# Altium PCB drive.PcbDoc (part 2 of 2)
Units mm, origin at the board's own origin, x right, y up, seen from the top; angles counter-clockwise.
Board outline 250 x 128 mm, 2 copper layers (Top Layer, Bottom Layer); 178 components, 157 nets, 674 pads, 176 vias.
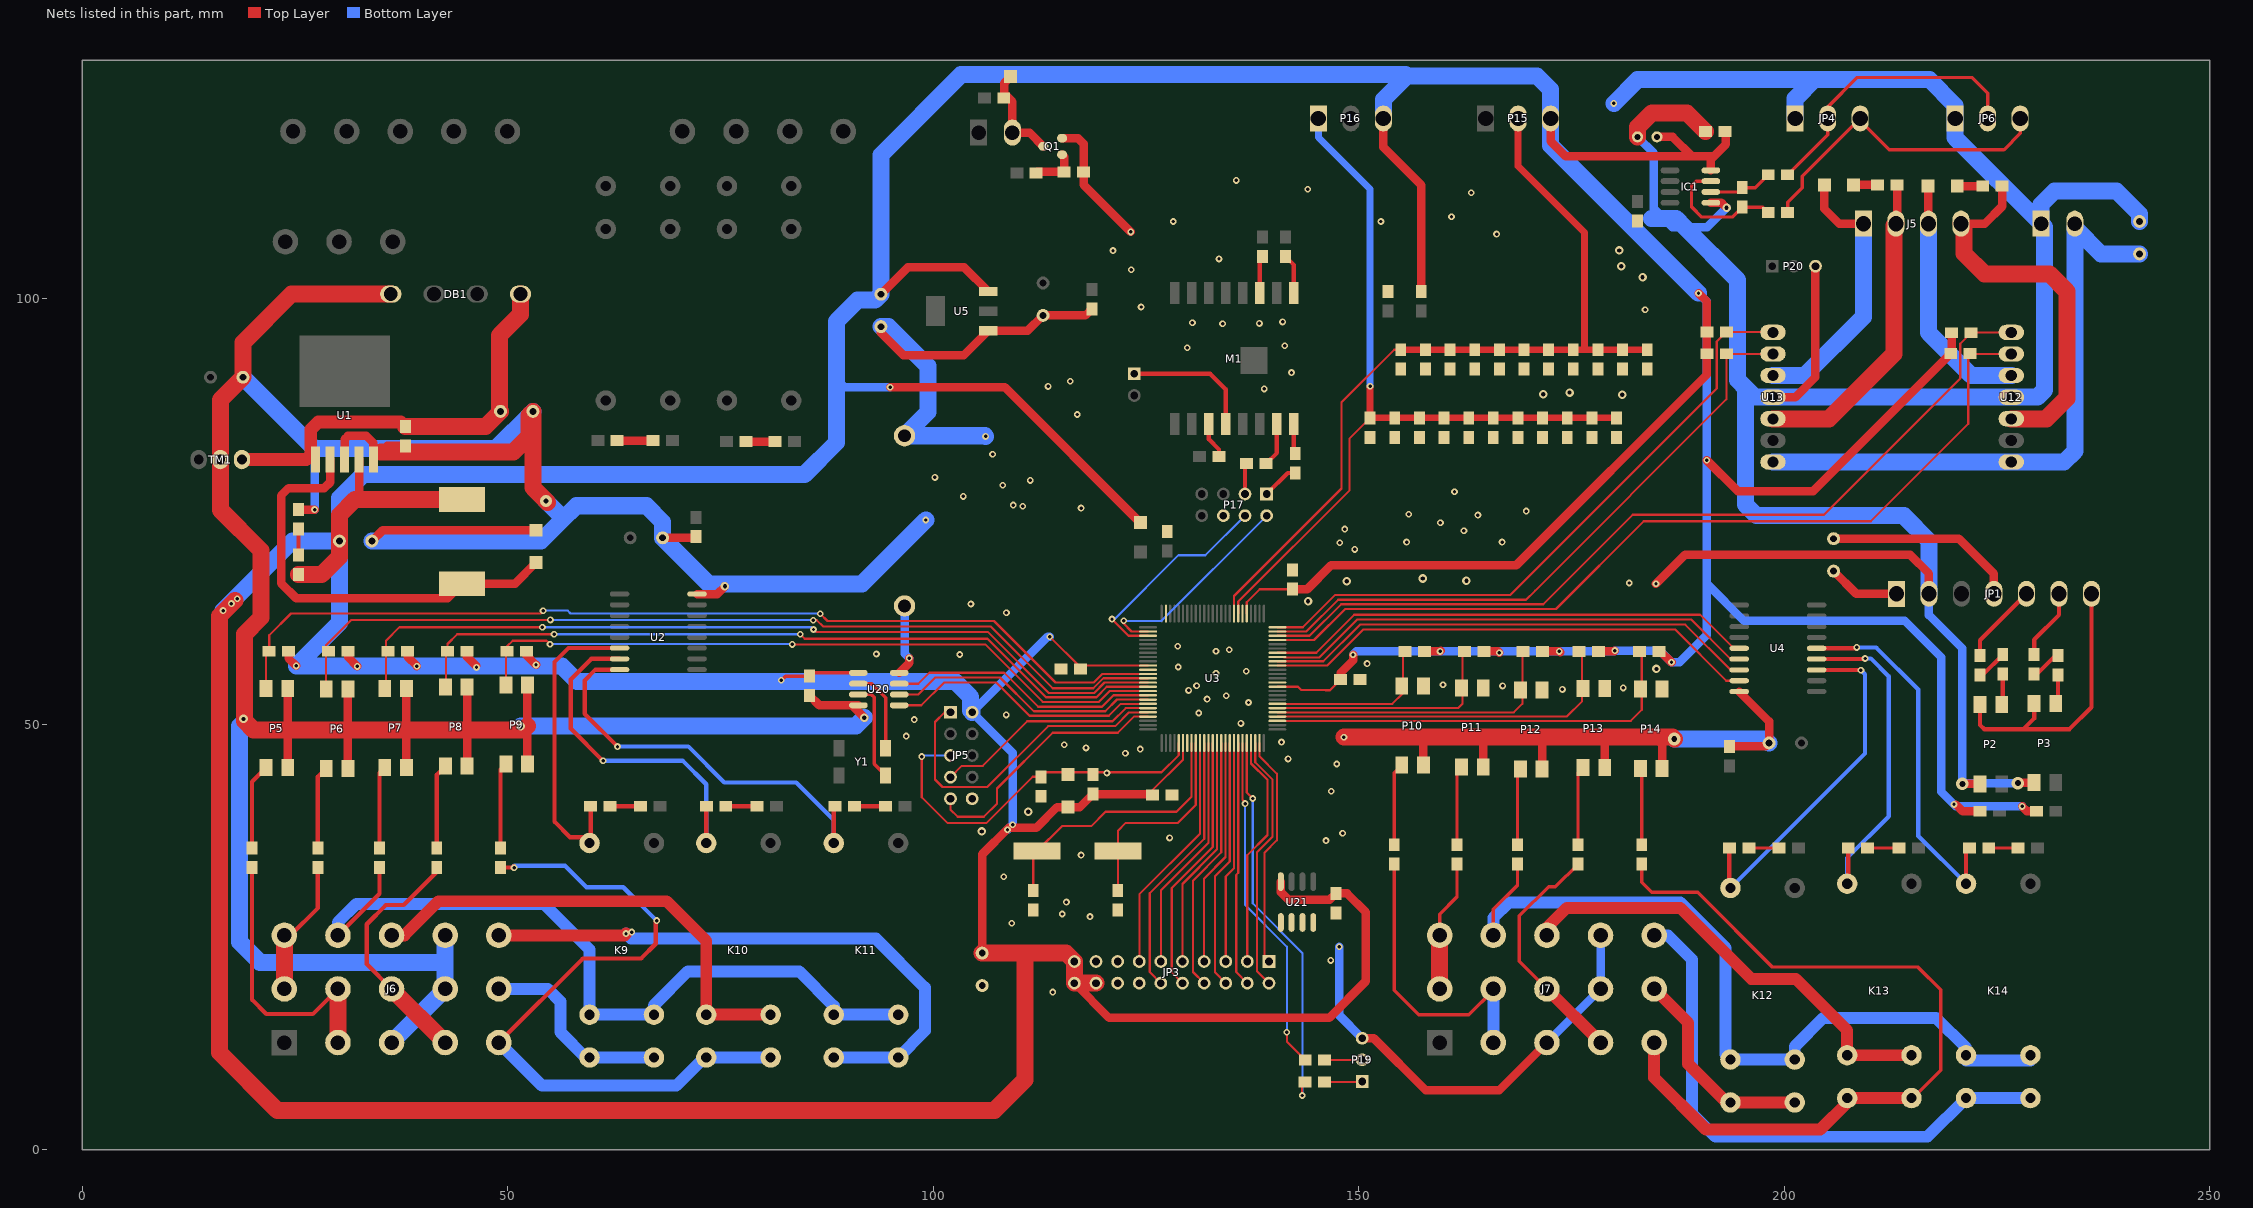
[diagram p2: the nets of this part, all layers, seen from the top]

## Via types
v1: diameter 0.8, hole 0.4, Top Layer to Bottom Layer, tented both sides, 154 vias
v2: diameter 1, hole 0.5, Top Layer to Bottom Layer, tented both sides, 18 vias
v3: diameter 1.5, hole 0.7, Top Layer to Bottom Layer, tented both sides, 3 vias
v4: diameter 1.4, hole 0.6, Top Layer to Bottom Layer, tented both sides, 1 vias

## Nets (pads, with @x,y where several pads share a name; then routed paths per layer and width w, separated by ;. In a path a pad name is that pad's centre, name@x,y a point inside that pad or via, vN(x,y) a via of type N, cw(c..) or ccw(c..) an arc to the next point about the centre after c; other vN are vias at no path point) (continued)
GND: BT1.2 C1.1 C2.2 C3.2 C4.2 C6.2 C7.1 C8.1 C9.2 C10.2 C11.1 C12.2 C14.2 C15.1 C18.2 C20.1 C21.1 C22.1 C23.1 C24.1 C25.2 C26.2 C27.1 C28.1 C29.1 C30.1 C31.1 C32.1 C34.2 D1.2 D4.1 DB1.4 IC1.5 J6.3 J6.9 J6.14 J7.3 J7.9 J7.14 JP1.2 JP3.14 JP3.15 JP3.16 JP3.17 JP4.1 JP5.10 JP6.1 P1.1 P2.3 P3.3 P5.2 P5.3 P6.2 P6.3 P7.2 P7.3 P8.2 P8.3 P9.2 P9.3 P10.2 P10.3 P11.2 P11.3 P12.2 P12.3 P13.2 P13.3 P14.2 P14.3 P17.6 P19.3 P20.3 Q1.E R7.1 R9.1 R16.1 R17.1 R18.1 R19.1 R20.1 R22.1 R24.1 R25.1 R29.1 R43.1 R44.1 R45.1 R46.1 R47.1 R48.1 R49.1 R50.1 R51.1 R52.1 R53.1 TM1.2 U1.3 U1.5 U2.9 U3.11 U3.32 U3.62 U3.81 U3.99 U4.9 U5.1 U12.4 U13.4 U20.4 U21.1 U21.2 U21.3 U21.4 | length 998.7
  Top Layer w1: P5.2@24.145,44.875 24.145,49.325 P5.3@24.145,54.175 ; D1.2@25.4,75.184 27.284,75.184 v1(27.3,75.2) ; U1.3@30.836,81.084 30.836,83.461 31.225,83.85 33.4,83.85 34.225,83.025 34.225,81.099 U1.5@34.24,81.084 35.128,81.972 35.833,82.677 C1.1@37.973,82.677 ; P6.2@31.22,44.8 31.22,49.325 P6.3@31.22,54.1 ; C3.2@34.036,71.501 35.306,72.771 D4.1@53.34,72.771 ; P7.2@38.095,44.9 38.095,49.325 P7.3@38.095,54.2 ; P8.2@45.22,45.05 45.22,49.325 P8.3@45.22,54.35 ; P9.2@52.32,45.275 52.32,49.775 P9.3@52.32,54.575 ; C6.2@68.199,71.882 72.009,71.882 C7.1@72.136,72.009 ; U2.9@72.241,65.278 74.628,65.278 v2(75.525,66.175) ; C28.1@85.45,53.35 86.603,52.197 U20.4@90.453,52.197 ; U20.4@91.199,52.197 U20.4@90.453,52.197 ; v2(91.9,50.75) U20.4@90.453,52.197 ; C10.2@93.85,96.691 93.85,95.975 96.475,93.35 103.599,93.35 U5.1@106.474,96.225 111.109,96.225 C12.2@112.9,98.016 117.877,98.016 C9.2@118.65,98.789 ; Q1.E@115.143,118.841 117.009,118.841 117.661,118.189 R43.1@117.661,114.875 117.661,113.364 v1(123.2,107.825) ; P19.3@150.4,13.08 151.77,13.08 157.9,6.95 166.489,6.95 J7.3@172.112,12.573 ; P10.2@157.595,45.175 157.595,48.195 157.85,48.45 ; 164,48.45 164.62,47.83 P11.2@164.62,44.95 ; 171.3,48.45 171.545,48.205 P12.2@171.545,44.725 ; 178.625,48.45 178.895,48.18 P13.2@178.895,44.875 ; 184.775,48.45 185.645,47.58 P14.2@185.645,44.8 ; v1(184.925,66.475) 188.35,69.9 214.775,69.9 217,67.675 JP1.2@217,65.3 ; IC1.5@191.376,111.252 192.598,111.252 v2@192.975,110.875 ; C15.1@193.548,47.371 197.812,47.371 C14.2@198.216,47.775 198.216,50.304 U4.9@194.7,53.82 ; U13.4@198.675,88.405 201.305,88.405 203.665,90.765 P20.3@203.665,103.8 ; v3@220.825,42.875 v3(220.925,42.975) P2.3@223.012,42.975 ; v3@227.6,43.2 227.698,43.102 P3.3@229.362,43.102
  Top Layer w2: 35.128,81.972 50.647,81.972 52.5,83.825 52.5,86.282 C2.2@52.959,86.741 52.959,77.766 v4@54.7,76.025 ; DB1.4@36.255,100.525 24.6,100.525 18.884,94.809 C4.2@18.884,90.75 16.225,88.091 TM1.2@16.225,81.075 16.225,75.175 21,70.4 21,62.5 19.05,60.55 19.05,50.375 20.1,49.325 24.145,49.325 31.22,49.325 38.095,49.325 45.22,49.325 51.87,49.325 52.32,49.775 ; v1(148.25,48.45) 157.85,48.45 164,48.45 171.3,48.45 178.625,48.45 184.775,48.45 186.85,48.45 v3(187.075,48.225) ; C26.2@182.753,118.999 182.753,120.128 184.45,121.825 184.475,121.8 188.588,121.8 C25.2@190.754,119.634
  Bottom Layer w1: 27.259,82.375 27.3,82.334 v1(27.3,75.2) ; v1(147.7,23.825) 147.7,15.78 P19.3@150.4,13.08 ; J7.3@172.112,12.573 J7.9@178.412,18.873 J7.14@178.412,25.173 ; C26.2@182.753,118.999 184.675,117.077 184.675,110.55 185.85,109.375 186.825,108.4 188.275,108.4 190.95,108.4 v2(193.225,110.675) ; JP1.2@217,65.3 217,62.8 220.925,58.875 v3(220.925,42.975) 221,43.05 v3(227.45,43.05)
  Bottom Layer w2: C4.2@18.884,90.75 27.259,82.375 48.593,82.375 C2.2@52.959,86.741 ; v2@19.025,50.275 18.5,49.75 18.5,24.375 20.875,22 42.649,22 ; C3.2@34.036,71.501 53.926,71.501 56.325,73.9 ; J6.3@36.349,12.573 J6.9@42.649,18.873 42.649,22 ; J6.14@42.649,25.173 42.649,22 ; v2(51.55,49.75) 90.9,49.75 v2(91.9,50.75) ; v4(54.5,76.225) 56.325,74.4 56.325,73.9 ; C10.2@93.85,96.691 94.759,96.691 99.4,92.05 99.4,86.65 BT1.2@96.625,83.875 106.075,83.875 v1(106.15,83.8) ; v1(99.125,73.975) 91.625,66.475 73.606,66.475 C6.2@68.199,71.882 68.199,73.751 66.3,75.65 58.075,75.65 56.325,73.9 ; v1(179.975,122.925) 182.775,125.725 203.525,125.725 ; 184.4,109.375 185.85,109.375 187.3,109.375 188.275,108.4 194.525,102.15 194.525,90.425 195.425,89.525 ; v3(187.075,48.225) 197.766,48.225 C14.2@198.216,47.775 ; JP4.1@201.285,121.158 201.285,123.485 203.525,125.725 ; JP1.2@217,65.3 217,71.525 214.05,74.475 196.75,74.475 195.425,75.8 195.425,89.525 ; C18.2@241.75,109.059 241.75,109.925 239.05,112.625 231.75,112.625 230.177,111.052 P1.1@230.177,108.8 ; 195.425,89.525 196.545,88.405 U13.4@198.675,88.405 U12.4@226.675,88.405 229.73,88.405 230.6,89.275 230.6,108.377 P1.1@230.177,108.8 ; 203.525,125.725 217.05,125.725 220.081,122.694 JP6.1@220.081,121.158 220.081,118.896 P1.1@230.177,108.8
  other v1: 114.05,18.5 146.7,22.225 109.225,26.6 118.425,27.375 115.15,27.675 115.65,29.075 108.275,32.05 117.375,34.6 146.15,36.3 127.775,36.625 148.1,37.175 146.775,42.1 147.425,45.3 141.7,45.9 122.575,46.575 124.325,47.05 117.95,47.2 115.4,47.575 140.925,47.875 96.825,48.575 136.15,50.075 97.775,50.525 108.575,51.075 131.2,51.3 137.05,52.525 132.175,52.925 134.425,53.325 130,53.95 173.925,54.075 181.075,54.25 166.9,54.475 130.95,54.5 159.9,54.625 133.225,55.975 136.775,56.2 128.8,56.7 150.975,57.1 103.125,58.175 93.325,58.225 133.225,58.55 134.775,58.725 128.725,59.15 108.6,63.075 104.425,64.1 181.775,66.575 149.525,70.525 147.775,71.3 155.625,71.375 166.85,71.375 162.35,72.7 148.35,72.9 159.6,73.65 164,74.55 155.875,74.65 169.675,75.025 117.375,75.375 110.525,75.6 109.4,75.725 103.525,76.75 161.25,77.3 108.175,78.05 111.4,78.625 100.2,78.975 106.975,81.7 116.925,86.375 138.9,89.375 113.5,89.675 116.1,90.275 142.1,91.3 129.85,94.225 141.3,94.45 134,97.025 138.325,97.075 130.45,97.15 141.05,97.25 183.65,98.675 124.425,99 123.275,103.375 133.575,104.65 121.125,105.625 166.2,107.575 128.2,109.05 152.6,109.05 160.9,109.6 163.225,112.425 144,112.85 135.6,113.875
  other v2: 105.7,37.375 111.175,39.7 18.95,50.6 184.975,56.475 144.05,64.425 148.6,66.775 162.65,66.85 157.525,67.1 180.95,88.7 171.675,88.75 174.775,88.95 183.35,102.5 180.85,103.8 180.6,105.65
IN1A: R31.1 U3.75 U13.1 | length 75.9
  Top Layer w0.254: U3.75@140.442,61.372 143.422,61.372 147.225,65.175 167.825,65.175 168.8,66.15 192.075,89.425 192.075,94.95 R31.1@193.2,96.075 198.625,96.075 U13.1@198.675,96.025
IN1B: R32.1 U3.74 U13.2 | length 74.9
  Top Layer w0.254: U3.74@140.442,60.872 143.847,60.872 147.575,64.6 169.65,64.6 170.725,65.675 193.2,88.15 R32.1@193.2,93.5 198.66,93.5 U13.2@198.675,93.485
IN2A: R34.1 U3.73 U12.1 | length 103.4
  Top Layer w0.254: U3.73@140.442,60.372 144.222,60.372 147.925,64.075 171.675,64.075 182.2,74.6 204.675,74.6 220.675,90.6 220.675,94.7 R34.1@221.95,95.975 222,96.025 U12.1@226.675,96.025
IN2B: R33.1 U3.72 U12.2 | length 104.9
  Top Layer w0.254: U3.72@140.442,59.872 144.747,59.872 148.4,63.525 173.175,63.525 183.475,73.825 210.175,73.825 221.625,85.275 221.625,93.3 R33.1@221.85,93.525 221.89,93.485 U12.2@226.675,93.485
L_TER: C8.2 P15.2 R7.2 R9.2 R16.2 R17.2 R18.2 R19.2 R20.2 R22.2 R24.2 R25.2 U3.83 | length 99
  Top Layer w0.254: U3.83@135.342,62.972 135.342,65.042 147.975,77.675 147.975,87.8 154.155,93.98 R16.2@154.94,93.98
  Top Layer w0.8: R16.2@154.94,93.98 R17.2@157.836,93.98 R7.2@160.731,93.98 R18.2@163.627,93.98 R22.2@166.522,93.98 R9.2@169.418,93.98 R19.2@172.314,93.98 R20.2@175.209,93.98 176.475,93.98 ; P15.2@168.725,121.158 168.725,115.55 176.525,107.75 176.525,94.03 176.475,93.98 ; C8.2@183.896,93.98 R25.2@181,93.98 R24.2@178.105,93.98 176.475,93.98
LIN_B1: P5.4 R5.1 U3.12 | length 113.7
  Top Layer w0.254: P5.4@21.59,54.434 R5.1@21.59,58.166 ; R5.1@21.971,58.547 21.971,60.427 24.536,62.992 53.842,62.992 v1(54.15,63.3) ; v1(86.716,62.967) 87.582,62.1 107.14,62.1 114.365,54.875 118.85,54.875 119.847,55.872 U3.12@125.242,55.872
  Bottom Layer w0.254: v1@54.375,63.325 57.05,63.325 57.383,62.992 v1@86.69,62.992
LIN_B2: P6.4 R3.1 U3.13 | length 106.5
  Top Layer w0.254: P6.4@28.639,54.434 28.639,59.245 31.623,62.23 v1(55.016,62.23) ; v1(85.903,62.205) 86.32,62.205 87.075,61.45 106.774,61.45 114.024,54.2 118.817,54.2 119.989,55.372 U3.13@125.242,55.372
  Bottom Layer w0.254: v1(55.016,62.23) v1@85.903,62.23
LIN_B3: P7.4 R36.1 U3.14 | length 99.2
  Top Layer w0.254: P7.4@35.687,54.434 35.687,59.792 37.262,61.366 v1(54.073,61.366) ; v1@85.954,61.087 86.216,60.825 106.409,60.825 113.584,53.65 118.909,53.65 120.131,54.872 U3.14@125.242,54.872
  Bottom Layer w0.254: v1(54.073,61.366) 85.674,61.366 v1(85.928,61.112)
LIN_B4: P8.4 R41.1 U3.15 | length 90.8
  Top Layer w0.254: P8.4@42.735,54.815 R41.1@42.735,58.356 ; R41.1@42.926,58.547 42.926,59.411 44.069,60.554 v1(55.448,60.554) ; v1(84.379,60.554) 84.907,60.025 106.37,60.025 113.245,53.15 119.175,53.15 120.397,54.372 U3.15@125.242,54.372
  Bottom Layer w0.254: v1(55.448,60.554) v1(84.379,60.554)
LIN_B5: P9.4 R56.1 U3.16 | length 83.7
  Top Layer w0.254: P9.4@49.784,54.561 49.784,58.42 R56.1@49.911,58.547 49.911,59.131 50.571,59.792 54.559,59.792 v1(54.966,59.385) ; v1(83.439,59.36) 106.096,59.36 112.856,52.6 119.475,52.6 120.747,53.872 U3.16@125.242,53.872
  Bottom Layer w0.254: v1(54.966,59.385) v1@83.439,59.385
LROUT5: U3.69 U4.5 | length 57.7
  Top Layer w0.254: U3.69@140.442,58.372 144.997,58.372 149.458,62.833 190.117,62.833 194.05,58.9 U4.5@194.7,58.9
LROUT6: U3.68 U4.6 | length 57.3
  Top Layer w0.254: U3.68@141.2,57.837 145.386,57.837 149.825,62.275 189.075,62.275 193.72,57.63 U4.6@194.7,57.63
LROUT7: U3.67 U4.7 | length 58.2
  Top Layer w0.254: U3.67@140.442,57.372 145.847,57.372 150.15,61.675 188.375,61.675 193.69,56.36 U4.7@194.7,56.36
LROUT8: U3.66 U4.8 | length 58.5
  Top Layer w0.254: U3.66@140.442,56.872 146.297,56.872 150.525,61.1 187.175,61.1 193.185,55.09 U4.8@194.7,55.09
LSW_A1: D13.2 K9.6 U2.15 | length 37.2
  Top Layer w0.5: D13.2@59.742,40.328 K9.6@59.742,36.703 ; U2.15@63.141,58.928 57.15,58.928 55.499,57.277 55.499,38.526 57.322,36.703 K9.6@59.742,36.703 ; K9.6@59.742,36.703 59.817,36.703 K9.6@59.615,36.01 59.742,36.137 K9.6@59.742,36.703
LSW_A2: D14.2 K10.6 U2.16 | length 42.8
  Top Layer w0.5: v1(61.2,45.675) 57.404,49.471 57.404,55.245 59.817,57.658 U2.16@63.141,57.658 ; K10.6@73.331,36.01 D14.2@73.331,40.328 D14.2@73.331,40.709
  Bottom Layer w0.5: v1(61.2,45.675) 70.575,45.675 73.331,42.919 K10.6@73.331,36.01
LSW_A3: D15.2 K11.6 U2.17 | length 50
  Top Layer w0.5: v1(62.9,47.35) 59.055,51.195 59.055,55.118 60.325,56.388 U2.17@63.141,56.388 ; K11.6@88.317,36.01 88.317,40.201 D15.2@88.444,40.328
  Bottom Layer w0.5: v1(62.9,47.35) 71.225,47.35 75.45,43.125 83.9,43.125 88.317,38.708 K11.6@88.317,36.01
MD1_A: J5.1 R11.1 U13.3 | length 32.6
  Top Layer w1: R11.1@204.725,113.35 204.725,110.525 206.45,108.8 J5.1@209.305,108.8
  Bottom Layer w2: U13.3@198.675,90.945 202.395,90.945 209.305,97.855 J5.1@209.305,108.8
MD1_B: C17.2 J5.2 U13.5 | length 37.4
  Top Layer w1: J5.2@213.125,108.8 213.261,108.936 C17.2@213.261,113.35
  Top Layer w2: U13.5@198.675,85.865 205.265,85.865 212.9,93.5 212.9,108.575 J5.2@213.125,108.8
MD2_A: J5.3 R10.1 U12.3 | length 29.1
  Top Layer w1: R10.1@216.9,113.2 216.945,113.155 J5.3@216.945,108.8
  Bottom Layer w2: J5.3@216.945,108.8 216.945,95.98 221.98,90.945 U12.3@226.675,90.945
MD2_B: C16.2 J5.4 U12.5 | length 45.7
  Top Layer w1: J5.4@220.765,108.8 223.575,108.8 225.611,110.836 C16.2@225.611,113.225
  Top Layer w2: J5.4@220.765,108.8 221.125,108.44 221.125,105.3 223.525,102.9 231.15,102.9 233.2,100.85 233.2,88.275 230.79,85.865 U12.5@226.675,85.865
MD_DC12V: C18.1 P1.2 U12.7 U13.7 | length 71.1
  Bottom Layer w2: U13.7@198.675,80.785 U12.7@226.675,80.785 232.885,80.785 234.16,82.06 234.16,108.325 237.236,105.249 C18.1@241.75,105.249
NetBT1_1: BT1.1 U20.8 | length 8.6
  Top Layer w1: U20.8@95.999,56.007 97.175,57.183 v1(97.175,57.75)
  Bottom Layer w1: BT1.1@96.625,63.875 96.625,58.275 97.15,57.75 v1(97.175,57.75)
NetC1_2: C1.2 C2.1 DB1.3 TM1.1 U1.1 | length 50.2
  Top Layer w1: C2.1@49.149,86.741 C2.1@49.403,86.995
  Top Layer w1.5: TM1.1@18.765,81.075 26.325,81.075 26.85,81.6 26.85,84.625 27.725,85.5 37.436,85.5 C1.2@37.973,84.963
  Top Layer w2: C1.2@37.973,84.963 47.371,84.963 C2.1@49.149,86.741 49.025,86.865 49.025,95.675 51.495,98.145 DB1.3@51.495,100.525
NetC16_1: C16.1 R10.2 | length 3
  Top Layer w1: R10.2@220.329,113.2 223.3,113.2 C16.1@223.325,113.225
NetC17_1: C17.1 R11.2 | length 2.8
  Top Layer w1: R11.2@208.154,113.35 C17.1@210.975,113.35
NetD1_1: D1.1 R1.1 | length 3
  Top Layer w0.5: R1.1@25.4,69.85 D1.1@25.4,72.898
NetD2_1: D2.1 R2.1 | length 4.2
  Top Layer w1: R2.1@62.865,83.312 D2.1@67.056,83.312
NetD3_1: D3.1 P4.2 Q1.C R38.1 | length 11.6
  Top Layer w1: D3.1@109.096,126.069 108.325,125.298 108.325,124.125 109.3,123.15 P4.2@109.3,119.5 111.31,119.5 Q1.C@112.934,117.876
NetD4_2: D4.2 L1.1 U1.2 | length 51.8
  Top Layer w1: U1.2@29.134,81.084 29.134,78.41 28.448,77.724 24.257,77.724 23.368,76.835 23.368,66.548 25.146,64.77 42.923,64.77 L1.1@44.631,66.478 50.857,66.478 D4.2@53.34,68.961
NetD9_1: D9.1 R8.1 | length 3.4
  Top Layer w1: R8.1@77.978,83.185 D9.1@81.407,83.185
NetD11_1: D11.1 R13.1 | length 3.7
  Top Layer w0.5: D11.1@223.012,55.753 223.303,55.753 225.679,58.129 R13.1@225.679,58.166
NetD11_2: D11.2 JP1.5 | length 9.5
  Top Layer w0.5: D11.2@223.012,58.039 223.012,59.852 JP1.5@228.46,65.3
NetD12_1: D12.1 R15.1 | length 3.7
  Top Layer w0.5: D12.1@229.362,55.88 229.705,55.88 231.864,58.039 R15.1@232.156,58.039
NetD12_2: D12.2 JP1.6 | length 8.3
  Top Layer w0.5: D12.2@229.362,58.166 229.362,59.912 232.28,62.83 JP1.6@232.28,65.3
NetD13_1: D13.1 R59.1 | length 3.6
  Top Layer w0.5: D13.1@62.028,40.328 R59.1@65.584,40.328
NetD14_1: D14.1 R60.1 | length 3.7
  Top Layer w0.5: D14.1@75.617,40.328 R60.1@79.3,40.328
NetD15_1: D15.1 R61.1 | length 3.7
  Top Layer w0.5: D15.1@90.73,40.328 R61.1@94.413,40.328
NetD16_1: D16.1 R87.1 | length 3.6
  Top Layer w0.4: D16.1@195.834,35.433 R87.1@199.39,35.433
NetD17_1: D17.1 R88.1 | length 3.7
  Top Layer w0.4: D17.1@209.804,35.433 R88.1@213.487,35.433
NetD18_1: D18.1 R89.1 | length 3.4
  Top Layer w0.4: D18.1@224.028,35.433 R89.1@227.457,35.433
NetIC1_6: IC1.6 R98.2 R100.1 | length 7.6
  Top Layer w0.4: IC1.6@191.376,112.522 194.564,112.522 R98.2@195.072,113.03 196.596,113.03 R100.1@198.12,114.554
NetIC1_7: IC1.7 R97.1 R98.1 | length 15.2
  Top Layer w0.4: IC1.7@191.376,113.792 189.642,113.792 189.1,113.25 189.1,110.8 190.325,109.575 193.903,109.575 R98.1@195.072,110.744 197.485,110.744 R97.1@198.12,110.109
NetJ6_2: J6.2 J6.7 R27.1 | length 33.9
  Top Layer w0.5: R27.1@19.939,33.147 19.939,17.611 21.625,15.925 27.101,15.925 J6.7@30.049,18.873
  Top Layer w2: J6.2@30.049,12.573 J6.7@30.049,18.873
NetJ6_4: J6.4 J6.8 R42.1 | length 29
  Top Layer w0.5: J6.8@36.349,18.873 33.425,21.797 33.425,26.475 35.675,28.725 37.775,28.725 41.656,32.606 R42.1@41.656,33.147
  Top Layer w2: J6.8@36.349,18.873 J6.4@42.649,12.573
NetJ6_5: J6.5 K10.2 K10.4 R57.1 | length 82.6
  Top Layer w0.5: J6.5@48.949,12.573 58.826,22.45 65.675,22.45 67.4,24.175 67.4,26.8 v1(67.5,26.9) ; R57.1@49.149,33.147 50.522,33.147 v1@50.7,33.325
  Bottom Layer w0.5: v1@50.7,33.275 50.775,33.35 56.725,33.35 59.25,30.825 63.575,30.825 v1(67.5,26.9)
  Bottom Layer w1.4: J6.5@48.949,12.573 54.022,7.5 69.8,7.5 73.11,10.81 K10.4@73.331,10.81 K10.2@80.891,10.81
  other v1: 50.75,33.1
NetJ6_6: J6.6 J6.11 R4.1 | length 16.3
  Top Layer w0.5: J6.11@23.749,25.173 24.473,25.173 27.686,28.386 R4.1@27.686,33.147
  Top Layer w2: J6.6@23.749,18.873 J6.11@23.749,25.173
NetJ6_10: J6.10 K9.2 K9.4 | length 23.7
  Bottom Layer w1.4: J6.10@48.949,18.873 54.702,18.873 56.2,17.375 56.2,13.8 59.19,10.81 K9.4@59.615,10.81 K9.2@67.175,10.81
NetJ6_12: J6.12 K9.1 K9.3 K11.1 K11.3 R6.1 | length 93.5
  Top Layer w0.5: J6.12@30.049,25.173 34.925,30.049 R6.1@34.925,33.147
  Bottom Layer w1.4: J6.12@30.049,25.173 30.049,26.699 32.225,28.875 54.225,28.875 59.615,23.485 K9.3@59.615,15.85 K9.1@67.175,15.85 67.175,16.925 71.175,20.925 84.25,20.925 88.317,16.858 K11.3@88.317,15.85 K11.1@95.877,15.85
NetJ6_13: J6.13 K10.1 K10.3 | length 56.8
  Top Layer w1.4: J6.13@36.349,25.173 37.848,25.173 41.85,29.175 68.675,29.175 73.331,24.519 K10.3@73.331,15.85 K10.1@80.891,15.85
NetJ6_15: J6.15 K11.2 K11.4 | length 69.9
  Top Layer w1.4: J6.15@48.949,25.173 63.698,25.173 v1(63.9,25.375)
  Bottom Layer w1.4: v1(63.9,25.375) 64.5,24.775 93.275,24.775 99.025,19.025 99.025,13.958 K11.2@95.877,10.81 K11.4@88.317,10.81
  other v1: 64.575,25.55
NetJ7_2: J7.2 J7.7 R65.1 | length 35.3
  Top Layer w0.4: R65.1@154.178,33.528 154.178,18.697 157.05,15.825 162.95,15.825 165.812,18.687 J7.7@165.812,18.873
  Bottom Layer w1.4: J7.2@165.812,12.573 J7.7@165.812,18.873
NetJ7_4: J7.4 J7.8 R80.1 | length 28.2
  Top Layer w0.4: J7.8@172.112,18.873 168.875,22.11 168.875,27.45 172.3,30.875 173.115,30.875 R80.1@175.768,33.528
  Top Layer w1.4: J7.8@172.112,18.873 J7.4@178.412,12.573
NetJ7_5: J7.5 K13.2 K13.4 R85.1 | length 95.4
  Top Layer w0.4: R85.1@183.261,33.528 183.261,31.414 184.45,30.225 189.825,30.225 198.6,21.45 215.7,21.45 218.375,18.775 218.375,9.3 215.117,6.042 K13.2@214.951,6.042
  Top Layer w1.4: J7.5@184.712,12.573 184.712,8.438 190.8,2.35 204.225,2.35 207.391,5.516 K13.4@207.391,6.042 K13.2@214.951,6.042
NetJ7_6: J7.6 J7.11 R70.1 | length 15.5
  Top Layer w0.4: J7.11@159.512,25.173 159.512,27.662 161.544,29.694 R70.1@161.544,33.528
  Top Layer w2: J7.6@159.512,18.873 J7.11@159.512,25.173
NetJ7_10: J7.10 K12.2 K12.4 | length 24.9
  Top Layer w1.4: J7.10@184.712,18.873 188.7,14.885 188.7,10.05 193.216,5.534 K12.4@193.675,5.534 K12.2@201.235,5.534
NetJ7_12: J7.12 K12.1 K12.3 K14.1 K14.3 R75.1 | length 96.3
  Top Layer w0.4: J7.12@165.812,25.173 165.812,28.212 168.656,31.056 R75.1@168.656,33.528
  Bottom Layer w1.4: J7.12@165.812,25.173 165.812,27.237 167.6,29.025 187.775,29.025 193.1,23.7 193.1,11.149 K12.3@193.675,10.574 K12.1@201.235,10.574 201.235,12.11 204.6,15.475 217.825,15.475 221.361,11.939 221.361,10.447 K14.1@228.921,10.447
NetJ7_13: J7.13 K13.1 K13.3 | length 53.6
  Top Layer w1.4: J7.13@172.112,25.173 172.112,26.062 174.45,28.4 187.775,28.4 196.125,20.05 201.35,20.05 207.391,14.009 K13.3@207.391,11.082 K13.1@214.951,11.082
NetJ7_15: J7.15 K14.2 K14.4 | length 66.5
  Bottom Layer w1.4: J7.15@184.712,25.173 186.327,25.173 189.175,22.325 189.175,4.225 191.9,1.5 216.819,1.5 K14.4@221.361,6.042 K14.2@228.921,6.042
NetJP1_7: JP1.7 P2.2 P3.2 | length 33.6
  Top Layer w0.5: P2.2@223.012,52.275 223.012,49.888 223.5,49.4 228.1,49.4 ; P3.2@229.362,52.402 229.362,50.662 228.1,49.4 ; JP1.7@236.1,65.3 236.1,51.975 233.525,49.4 228.1,49.4
NetJP4_2: JP4.2 JP6.2 R100.2 | length 34
  Top Layer w0.4: R100.2@200.406,114.554 205.105,119.253 JP4.2@205.105,121.158 205.105,122.505 208.575,125.975 222.05,125.975 223.901,124.124 JP6.2@223.901,121.031
NetJP4_3: JP4.3 JP6.3 R97.2 | length 37.5
  Top Layer w0.4: R97.2@200.406,110.109 200.406,111.306 202.125,113.025 202.125,114.358 JP4.3@208.925,121.158 208.925,120.9 212.325,117.5 225.825,117.5 227.721,119.396 JP6.3@227.721,121.031
NetM1_1: M1.1 R21.1 | length 4.7
  Top Layer w0.5: R21.1@141.4,104.925 142.375,103.95 M1.1@142.375,100.65
NetM1_3: M1.3 R23.1 | length 4.4
  Top Layer w0.5: M1.3@138.375,100.65 138.375,104.625 R23.1@138.675,104.925
NetM1_11: M1.11 R26.2 | length 4.3
  Top Layer w0.5: M1.11@132.375,85.25 132.375,83.475 133.586,82.264 R26.2@133.586,81.425
NetM1_12: M1.12 P18.1 | length 15.6
  Top Layer w0.5: P18.1@123.625,91.15 132.55,91.15 134.375,89.325 M1.12@134.375,85.25
NetM1_15: M1.15 R35.2 | length 5.2
  Top Layer w0.5: R35.2@139.111,80.6 140.375,81.864 M1.15@140.375,85.25
NetM1_16: M1.16 R30.2 | length 3.5
  Top Layer w0.5: M1.16@142.369,85.25 142.369,81.957 R30.2@142.539,81.787
NetP2_1: P2.1 R13.2 | length 3.7
  Top Layer w0.5: P2.1@225.552,52.275 225.679,52.402 R13.2@225.679,55.88
NetP3_1: P3.1 R15.2 | length 3.5
  Top Layer w0.5: P3.1@231.902,52.402 232.156,52.656 R15.2@232.156,55.753
NetP5_1: P5.1 R27.2 | length 10.1
  Top Layer w0.5: R27.2@19.939,35.433 19.939,43.209 P5.1@21.605,44.875
NetP6_1: P6.1 R4.2 | length 9.8
  Top Layer w0.5: R4.2@27.686,35.433 27.686,43.806 P6.1@28.68,44.8
NetP7_1: P7.1 R6.2 | length 8.8
  Top Layer w0.5: R6.2@34.925,35.433 P7.1@34.925,44.27
NetP8_1: P8.1 R42.2 | length 10
  Top Layer w0.5: R42.2@41.656,35.433 41.656,44.026 P8.1@42.68,45.05
NetP9_1: P9.1 R57.2 | length 10.1
  Top Layer w0.5: R57.2@49.149,35.433 49.149,44.644 P9.1@49.78,45.275
NetP10_1: P10.1 R65.2 | length 9.7
  Top Layer w0.4: R65.2@154.178,35.814 154.178,44.298 P10.1@155.055,45.175
NetP11_1: P11.1 R70.2 | length 9.4
  Top Layer w0.4: R70.2@161.544,35.814 161.544,44.414 P11.1@162.08,44.95
NetP12_1: P12.1 R75.2 | length 9.1
  Top Layer w0.4: R75.2@168.656,35.814 168.656,44.376 P12.1@169.005,44.725
NetP13_1: P13.1 R80.2 | length 9.3
  Top Layer w0.4: R80.2@175.768,35.814 175.768,44.288 P13.1@176.355,44.875
NetP14_1: P14.1 R85.2 | length 9.1
  Top Layer w0.4: P14.1@183.105,44.8 183.261,44.644 R85.2@183.261,35.814
NetP17_1: P17.1 R30.1 | length 4.4
  Top Layer w0.5: P17.1@139.175,77.025 141.651,79.501 R30.1@142.539,79.501
NetP17_3: P17.3 R35.1 | length 3.7
  Top Layer w0.5: P17.3@136.635,77.025 136.635,80.41 R35.1@136.825,80.6
NetP19_1: P19.1 R37.1 | length 4.4
  Top Layer w0.254: R37.1@145.975,7.95 150.35,7.95 P19.1@150.4,8
NetP19_2: P19.2 R39.1 | length 4.4
  Top Layer w0.254: R39.1@146,10.525 150.385,10.525 P19.2@150.4,10.54
NetQ1_B: Q1.B R40.2 R43.2 | length 5.5
  Top Layer w1: R40.2@112.1,114.75 112.225,114.875 R43.2@115.375,114.875 115.375,116.679 Q1.B@115.143,116.911
NetU20_2: U20.2 Y1.1 | length 9.8
  Top Layer w0.4: U20.2@91.199,54.737 92.763,54.737 94.4,53.1 Y1.1@94.4,47.15
NetU20_3: U20.3 Y1.2 | length 11.7
  Top Layer w0.4: U20.3@91.199,53.467 92.733,53.467 93.05,53.15 93.05,45.3 Y1.2@94.4,43.95
R_CLK: U3.17 U20.7 | length 32
  Top Layer w0.254: U20.7@95.999,54.737 98.247,54.737 99.543,56.032 108.331,56.032 112.338,52.025 119.825,52.025 121.172,53.372 U3.17@125.242,53.372
R_DIO: U3.18 U20.6 | length 32.3
  Top Layer w0.254: U20.6@95.999,53.467 98.222,53.467 100.228,55.474 107.848,55.474 111.822,51.5 120.225,51.5 121.597,52.872 U3.18@125.242,52.872
R_STB: U3.19 U20.5 | length 32.6
  Top Layer w0.254: U20.5@95.999,52.197 98.603,52.197 101.295,54.889 107.391,54.889 111.306,50.975 120.625,50.975 121.986,52.336 125.206,52.336 U3.19@125.242,52.372
R_TER: C11.2 P16.1 R44.2 R45.2 R46.2 R47.2 R48.2 R49.2 R50.2 R51.2 R52.2 R53.2 U3.82 | length 96.1
  Top Layer w0.254: U3.82@135.842,62.972 135.842,64.392 148.925,77.475 148.925,83.571 R44.2@151.333,85.979
  Top Layer w0.8: v1(151.333,89.683) R44.2@151.333,85.979 R51.2@154.229,85.979 R45.2@157.124,85.979 R52.2@160.02,85.979 R46.2@162.916,85.979 R53.2@165.811,85.979 R47.2@168.707,85.979 R49.2@171.602,85.979 R48.2@174.498,85.979 R50.2@177.394,85.979 C11.2@180.289,85.979
  Bottom Layer w0.8: P16.1@145.255,121.158 145.255,118.945 151.333,112.867 v1(151.333,89.683)
RESET: C32.2 D19.1 JP5.5 R96.1 U3.30 | length 44.4
  Top Layer w0.254: v1(98.65,46.175) 98.65,41.4 101.7,38.35 106.225,38.35 111.675,43.8 C32.2@112.67,43.8 113.195,44.325 126.825,44.325 128.842,46.342 U3.30@128.842,47.772
  Bottom Layer w0.254: v1(98.65,46.175) 98.779,46.304 JP5.5@102.032,46.304
  other v1: 120.4,44.25
RIN_B1: P10.4 R64.1 U3.57 | length 20.3
  Top Layer w0.254: U3.57@140.442,52.372 153.947,52.372 155.194,53.619 155.194,54.561 155.194,58.278 R64.1@155.448,58.532
RIN_B2: P11.4 R69.1 U3.56 | length 28.2
  Top Layer w0.254: U3.56@140.442,51.872 161.672,51.872 162.211,52.411 162.211,54.561 162.211,58.31 R69.1@162.433,58.532
RIN_B3: P12.4 R74.1 U3.55 | length 35.4
  Top Layer w0.254: U3.55@140.442,51.372 168.222,51.372 169.227,52.378 169.227,54.561 169.227,58.468 R74.1@169.291,58.532
RIN_B4: P13.4 R79.1 U3.54 | length 42.5
  Top Layer w0.254: U3.54@140.442,50.872 174.422,50.872 176.244,52.694 176.244,54.561 176.244,58.183 R79.1@175.895,58.532
RIN_B5: P14.4 R84.1 U3.53 | length 50.3
  Top Layer w0.254: U3.53@140.442,50.372 181.972,50.372 183.261,51.661 183.261,54.561 183.261,58.278 R84.1@183.007,58.532
RSW_A1: D16.2 K12.6 U4.12 | length 42.1
  Top Layer w0.5: K12.6@193.548,30.861 D16.2@193.548,35.433 ; U4.12@203.8,56.36 v1@209,56.36
  Bottom Layer w0.5: K12.6@193.675,30.734 209.475,46.534 209.475,55.85 v1(209,56.325)
RSW_A2: D17.2 K13.6 U4.13 | length 39.8
  Top Layer w0.5: U4.13@203.8,57.63 209.43,57.63 v1(209.5,57.7) ; K13.6@207.518,31.369 D17.2@207.518,35.433
  Bottom Layer w0.5: K13.6@207.391,31.242 207.391,34.266 212.275,39.15 212.275,55.6 210.175,57.7 v1(209.5,57.7)
RSW_A3: D18.2 K14.6 U4.14 | length 43.5
  Top Layer w0.5: U4.14@203.8,58.9 208.425,58.9 v1(208.525,59) ; K14.6@221.361,31.242 221.361,35.052 D18.2@221.742,35.433
  Bottom Layer w0.5: v1(208.525,59) 210.8,59 215.75,54.05 215.75,36.853 K14.6@221.361,31.242
RXD0: P17.2 U3.2 | length 25.3
  Top Layer w0.254: v1@122.25,61.925 123.303,60.872 U3.2@125.242,60.872
  Bottom Layer w0.254: v1(122.375,62.125) 126.815,62.125 P17.2@139.175,74.485
RXD1: R39.2 U3.45 | length 40.1
  Top Layer w0.254: U3.45@136.342,47.772 136.342,41.083 v1@136.575,40.85 ; v1(141.55,13.775) 141.55,12.689 R39.2@143.714,10.525
  Bottom Layer w0.254: v1(136.65,40.65) 136.65,28.725 141.55,23.825 v1(141.55,13.775)
SPI_MISO: JP5.9 U3.22 | length 30.8
  Top Layer w0.254: JP5.9@102.032,41.224 102.032,39.943 102.875,39.1 105.95,39.1 107.5,40.65 107.5,42.425 114.05,48.975 121.675,48.975 123.572,50.872 U3.22@125.242,50.872
SPI_MOSI: JP5.1 U3.21 | length 38.1
  Top Layer w0.254: JP5.1@102.032,51.384 101.346,51.384 100.203,50.241 100.203,43.485 101.088,42.6 106.35,42.6 113.5,49.75 121.375,49.75 122.997,51.372 U3.21@125.242,51.372
SPI_SCK: JP5.7 U3.20 | length 26.6
  Top Layer w0.254: JP5.7@102.032,43.764 103.353,45.085 105.816,45.085 111.049,50.317 121.056,50.317 122.611,51.872 U3.20@125.242,51.872
TXD0: P17.4 U3.3 | length 25.7
  Top Layer w0.254: v1(121,62.325) 122.953,60.372 U3.3@125.242,60.372
  Bottom Layer w0.254: v1(121,62.325) 121.3,62.325 128.8,69.825 131.975,69.825 P17.4@136.635,74.485
TXD1: R37.2 U3.46 | length 45.6
  Top Layer w0.254: U3.46@136.842,47.772 136.842,41.958 v1(137.55,41.25) ; v1(143.35,6.35) 143.35,7.611 R37.2@143.689,7.95
  Bottom Layer w0.254: v1(137.55,41.25) 137.55,28.925 143.375,23.1 v1@143.375,6.575
VCC: C3.1 C10.1 C20.2 C21.2 C22.2 C23.2 C25.1 C26.1 C27.2 C28.2 C34.1 D19.2 IC1.8 JP3.18 JP3.19 JP3.20 JP5.2 L1.2 L2.2 P15.3 P16.3 R1.2 R3.2 R5.2 R12.1 R14.1 R28.2 R31.2 R32.2 R33.2 R34.2 R36.2 R41.2 R56.2 R64.2 R69.2 R74.2 R79.2 R84.2 R96.2 U1.4 U3.10 U3.31 U3.61 U3.80 U5.3 U20.1 U21.8 | length 1115.2
  Top Layer w0.254: v1(113.7,60.25) 117.297,56.653 C20.2@117.297,56.464 117.705,56.872 U3.10@125.242,56.872 ; C22.2@125.671,41.768 125.671,42.146 129.342,45.817 U3.31@129.342,47.772 ; U3.80@136.842,62.972 136.842,64.317 138.364,65.839 C21.2@142.2,65.839 ; U3.61@140.442,54.372 142.853,54.372 143.225,54 146.075,54 146.1,53.975 146.614,53.975 C23.2@147.864,55.225
  Top Layer w0.4: v1(82.15,55.15) 82.636,55.636 C28.2@85.45,55.636 85.821,56.007 U20.1@91.199,56.007
  Top Layer w1: R5.2@24.257,58.547 24.257,57.718 v1(25.15,56.825) ; R3.2@31.242,58.547 31.242,57.858 v1(32.325,56.775) ; 32.028,76.378 32.538,76.888 U1.4@32.538,81.084 ; R36.2@38.227,58.547 38.227,57.898 v1(39.325,56.8) ; R41.2@45.212,58.547 45.212,57.913 v1@46.275,56.85 ; R56.2@52.197,58.547 52.197,58.078 v1(53.325,56.95) ; C10.1@93.85,100.501 96.999,103.65 103.649,103.65 U5.3@106.474,100.825 ; v1(94.925,89.575) 108.418,89.575 L2.2@124.333,73.66 ; C34.1@105.75,23.076 105.75,34.7 108.85,37.8 112.1,37.8 114.544,40.244 D19.2@115.845,40.244 117.242,40.244 R96.2@118.766,41.768 125.671,41.768 C22.2@125.764,41.675 ; JP3.20@116.586,19.558 120.669,15.475 146.525,15.475 150.825,19.775 150.825,27.9 148.626,30.099 C27.2@147.32,30.099 146.596,29.375 141.725,29.375 140.843,30.257 U21.8@140.843,31.483 ; C21.2@142.2,65.839 143.939,65.839 146.75,68.65 168.5,68.65 190.914,91.064 R32.2@190.914,93.5 R31.2@190.914,96.075 190.914,99.636 v1(189.925,100.625) ; C23.2@147.864,55.225 147.864,56.014 149.325,57.475 v1(149.325,58.15) ; P16.3@152.895,121.158 152.895,117.78 157.35,113.325 R28.2@157.35,100.811 ; R64.2@157.734,58.532 v1(159.557,58.532) v1@159.65,58.625 ; R69.2@164.719,58.532 166.368,58.532 v1(166.525,58.375) ; R74.2@171.577,58.532 v1(173.568,58.532) v1@173.675,58.425 ; P15.3@172.545,121.158 172.545,118.48 174.313,116.712 189.162,116.712 ; R79.2@178.181,58.532 180.007,58.532 v1(180.1,58.625) ; C26.1@185.039,118.999 186.876,118.999 189.162,116.712 ; R84.2@185.293,58.532 185.468,58.532 v1(186.75,57.25) ; v1(190.9,81) 194.55,77.35 203.389,77.35 R33.2@219.564,93.525 219.664,93.625 R34.2@219.664,95.975 ; IC1.8@191.376,115.062 191.376,116.351 191.738,116.712 ; C25.1@193.04,119.634 193.125,119.549 193.125,118.1 191.738,116.712 ; v1@220.175,40.525 220.949,39.751 R12.1@223.012,39.751 ; v1(227.95,40.325) 228.524,39.751 R14.1@229.616,39.751 ; 189.162,116.712 191.738,116.712
  Top Layer w2: v1@17.95,64.525 16.125,62.7 16.125,11.4 22.925,4.6 107.175,4.6 110.775,8.2 110.775,23.076 ; R1.2@25.4,67.564 28.139,67.564 30.226,69.651 C3.1@30.226,71.501 30.226,74.576 32.028,76.378 L1.2@44.631,76.378 ; C34.1@105.75,23.076 110.775,23.076 ; JP3.18@119.126,19.558 JP3.20@116.586,19.558 JP3.19@116.586,22.098 115.608,23.076 110.775,23.076
  Bottom Layer w1: v1(25.15,56.825) v1@25.175,56.8 ; v1(39.325,56.8) v1@39.475,56.65 ; 88.625,90.525 89.575,89.575 v1(94.925,89.575) ; v1(108.725,37.575) v1(109.325,38.175) 109.325,46.631 JP5.2@104.572,51.384 113.438,60.25 v1(113.7,60.25) ; v1(149.325,58.15) 149.707,58.532 v1(159.557,58.532) v1(173.568,58.532) 180.007,58.532 v1(180.1,58.625) 185.375,58.625 v1(186.75,57.25) 187.7,57.25 190.9,60.45 190.9,66.5 ; v1(189.925,100.625) 190.9,99.65 v1(190.9,81) 190.9,66.5 ; v1(227.95,40.325) 220.175,40.325 v1(219.95,40.55) 218.475,42.025 218.475,57.825 214.175,62.125 195.275,62.125 190.9,66.5
  Bottom Layer w2: v1(16.55,63.325) 24.726,71.501 C3.1@30.226,71.501 ; JP5.2@104.572,51.384 104.375,51.581 104.375,53.2 102.55,55.025 58.15,55.025 56.35,56.825 v1(25.15,56.825) 30.226,61.901 C3.1@30.226,71.501 ; P16.3@152.895,121.158 152.895,123.395 155.65,126.15 ; v1(189.925,100.625) 172.545,118.005 P15.3@172.545,121.158 172.545,124.555 170.95,126.15 155.65,126.15 ; C3.1@30.226,71.501 30.226,76.551 32.975,79.3 84.85,79.3 88.625,83.075 88.625,90.525 88.625,97.325 91.1,99.8 93.149,99.8 C10.1@93.85,100.501 93.85,116.875 103.275,126.3 155.5,126.3 155.65,126.15
  other v1: 46.325,56.65 17.525,64.15 18.225,64.725
W_DC24V: C5.1 JP1.4 | length 22.9
  Top Layer w1: C5.1@205.8,71.776 220.524,71.776 224.64,67.66 JP1.4@224.64,65.3
W_GND: C5.2 JP1.1 | length 8.5
  Top Layer w1: C5.2@205.8,67.966 208.466,65.3 JP1.1@213.18,65.3
X_ASTB: JP3.3 U3.47 | length 27.5
  Top Layer w0.254: JP3.3@136.906,22.098 136.906,34.581 139.275,36.95 139.275,43.433 137.342,45.366 U3.47@137.342,47.772
X_BSTB: JP3.4 U3.44 | length 28.9
  Top Layer w0.254: U3.44@135.842,47.772 135.842,32.517 135.6,32.275 135.6,20.864 JP3.4@136.906,19.558
X_CLK: JP3.2 U3.48 | length 30.4
  Top Layer w0.254: U3.48@137.842,47.772 137.842,45.508 139.85,43.5 139.85,36.725 138.05,34.925 138.05,20.954 JP3.2@139.446,19.558
X_CSTB: JP3.5 U3.43 | length 26.1
  Top Layer w0.254: JP3.5@134.366,22.098 134.366,32.091 135.342,33.067 U3.43@135.342,47.772
X_DIO: JP3.1 U3.49 | length 27.3
  Top Layer w0.254: U3.49@138.342,47.772 138.342,46.208 140.375,44.175 140.375,36.325 138.925,34.875 138.925,22.619 JP3.1@139.446,22.098
X_DSTB: JP3.6 U3.42 | length 29.5
  Top Layer w0.254: JP3.6@134.366,19.558 133.1,20.824 133.1,32.1 134.842,33.842 U3.42@134.842,47.772
X_ESTB: JP3.7 U3.41 | length 26.7
  Top Layer w0.254: JP3.7@131.826,22.098 131.826,31.851 134.342,34.367 U3.41@134.342,47.772
X_FSTB: JP3.8 U3.40 | length 30.1
  Top Layer w0.254: JP3.8@131.826,19.558 130.525,20.859 130.525,31.6 133.842,34.917 U3.40@133.842,47.772
X_GSTB: JP3.9 U3.39 | length 27.4
  Top Layer w0.254: JP3.9@129.286,22.098 129.286,31.211 133.342,35.267 U3.39@133.342,47.772
X_SW_1: JP3.10 U3.38 | length 30.7
  Top Layer w0.254: JP3.10@129.286,19.558 128.025,20.819 128.025,30.725 132.842,35.542 U3.38@132.842,47.772
X_SW_2: JP3.11 U3.37 | length 28
  Top Layer w0.254: JP3.11@126.746,22.098 126.746,30.446 132.342,36.042 U3.37@132.342,47.772
X_SW_3: JP3.12 U3.36 | length 31.4
  Top Layer w0.254: JP3.12@126.746,19.558 125.45,20.854 125.45,30.125 131.842,36.517 U3.36@131.842,47.772
X_SW_4: JP3.13 U3.35 | length 28.6
  Top Layer w0.254: JP3.13@124.206,22.098 124.225,22.117 124.225,30 131.342,37.117 U3.35@131.342,47.772
XTAL1: C31.2 U3.34 Y2.2 | length 25.1
  Top Layer w0.254: C31.2@121.675,30.061 121.7,30.086 Y2.2@121.7,35.075 121.7,37.475 122.575,38.35 128.7,38.35 130.842,40.492 U3.34@130.842,47.772
XTAL2: C30.2 U3.33 Y2.1 | length 31.9
  Top Layer w0.254: C30.2@111.75,30.436 111.75,34.625 Y2.1@112.2,35.075 115.125,38 118.55,38 120.25,39.7 128.575,39.7 130.342,41.467 U3.33@130.342,47.772
pads on no net: J3.3 J4.2 JP5.3 JP5.4 JP5.6 JP5.8 M1.2 M1.4 M1.5 M1.6 M1.7 M1.13 M1.14 P15.1 P16.2 U1. U2.7 U2.8 U2.11 U2.12 U2.18 U3.23 U3.24 U3.25 U3.26 U3.27 U3.28 U3.29 U3.60 U3.70 U3.71 U3.76 U3.77 U3.78 U3.79 U3.85 U3.86 U3.87 U3.88 U3.89 U3.90 U3.91 U3.92 U3.93 U3.94 U3.95 U3.96 U3.97 U4.1 U4.2 U4.3 U4.4 U4.15 U4.16 U4.17 U4.18 U5.4 U12.6 U13.6 Y1.0

## Polygon pours and split planes (outlines as drawn)
GND on Top Layer "Bottom Layer-No Net" (solid, remove dead copper, pour order 4): 112.025,110.45 112.025,112.271 126.875,112.271 127.037,112.338 137.637,122.938 137.704,123.1 137.704,128.118 185.55,128.275 186.35,127.475 186.35,51.55 156.45,51.55 155.425,50.525 149.3,44.4 149.3,20.975 149.075,20.75 144.4,16.075 106.45,16.075 106.45,35.4 98.15,43.7 90.525,51.325 90.525,73.375 92.35,75.2 112.025,94.875
GND on Bottom Layer "Bottom Layer-No Net" (solid, remove dead copper, pour order 3): 112.025,110.45 112.025,112.271 126.875,112.271 127.037,112.338 137.637,122.938 137.704,123.1 137.704,128.118 185.55,128.275 186.35,127.475 186.35,51.55 156.45,51.55 155.425,50.525 149.3,44.4 149.3,20.975 149.075,20.75 144.4,16.075 106.45,16.075 106.45,35.4 98.15,43.7 90.525,51.325 90.525,73.375 92.35,75.2 112.025,94.875

## Keep-outs
Keep-Out Layer:
  circle w0.254: c10,10 r2.5
  circle w0.254: c10,118 r2.5
  circle w0.254: c240,118 r2.5
  circle w0.254: c240,10 r2.5
  circle w0.254: c125,10 r2.5
  circle w0.254: c125,118 r2.5
  lines w0.254: 0,0 250,0 250,128 0,128 0,0

## Silkscreen, mask and mechanical layers (free items; w line width, h text height)
Top Overlay:
  circle w0.254: c10,10 r4.5
  circle w0.254: c10,118 r4.5
  circle w0.254: c240,118 r4.5
  circle w0.254: c240,10 r4.5
  circle w0.254: c125,10 r4.5
  circle w0.254: c125,118 r4.5
  text "SPI" at 108.575,49.35 h5
  text "显示板" at 123.925,26.225 h5
  text "GND" at 152.025,12.275 h2
  text "TXD" at 152.05,9.85 h2
  text "RXD" at 152.05,7.225 h2

## Text inside footprints (layer, text, board x,y; h text height)
JP3: Top Overlay "20" at 111.125,19.812 h1 r180; Top Overlay "19" at 110.744,22.479 h1 r180; Top Overlay "1" at 145.669,22.86 h1 r180; Top Overlay "2" at 145.796,19.939 h1 r180
JP5: Top Overlay "2" at 105.08,56.591 h1 r90; Top Overlay "1" at 102.286,56.591 h1 r90; Top Overlay "9" at 102.413,35.382 h1 r90; Top Overlay "10" at 104.826,34.747 h1 r90
P17: Top Overlay "8" at 130.031,74.993 h1.27 r180; Top Overlay "7" at 130.031,77.533 h1.27 r180; Top Overlay "1" at 141.207,77.533 h1.27 r180; Top Overlay "2" at 141.715,74.993 h1.27 r180